# Altium PCB ebox-SPARK-拼板.PcbDoc (part 1 of 3)
Units mm, origin at the board's own origin, x right, y up, seen from the top; angles counter-clockwise.
Board outline 102 x 90 mm, 2 copper layers (Top Layer, Bottom Layer); 141 components, 68 nets, 621 pads, 146 vias.
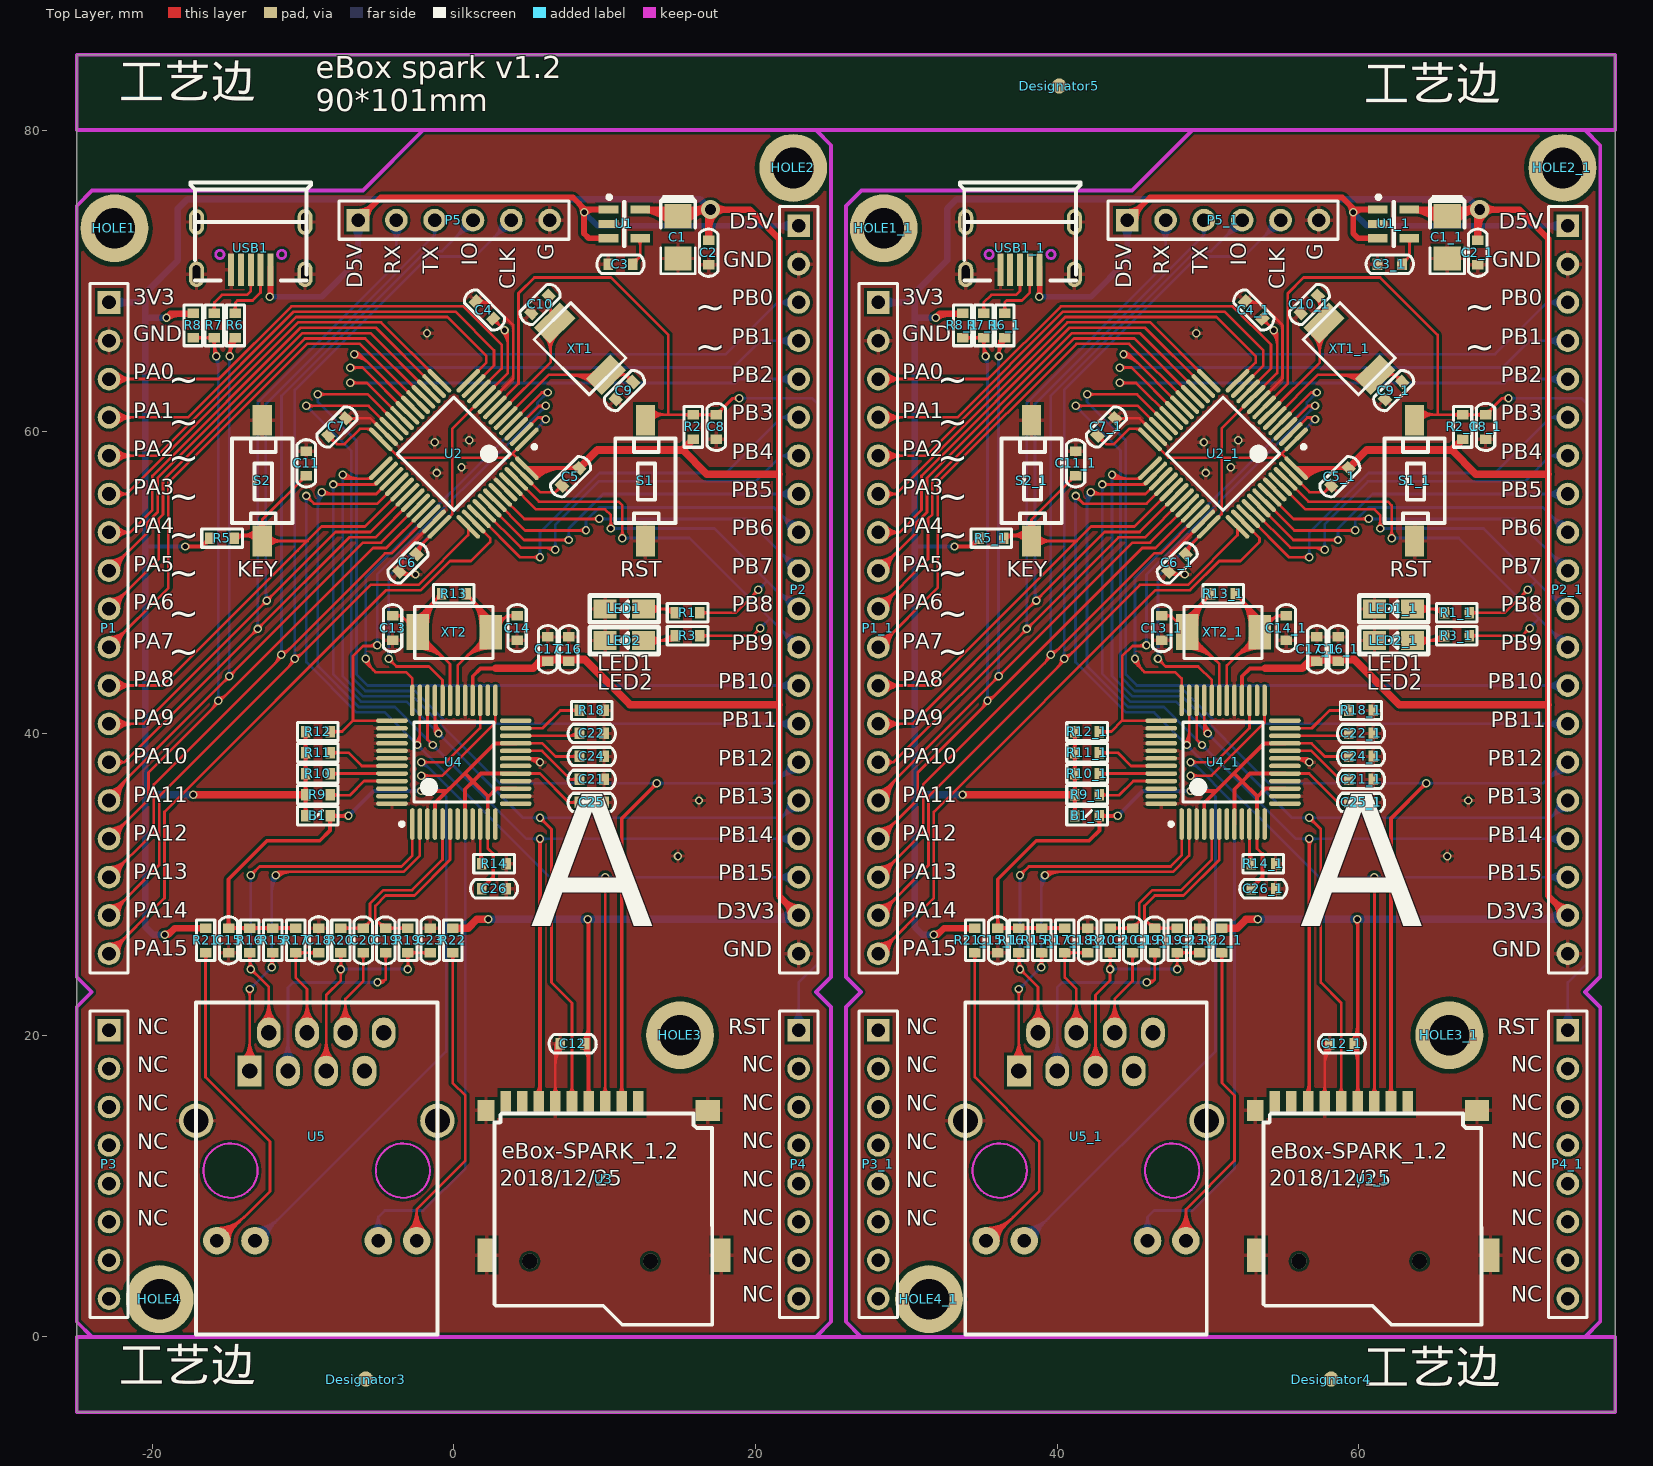
[diagram p0: Top Layer view]
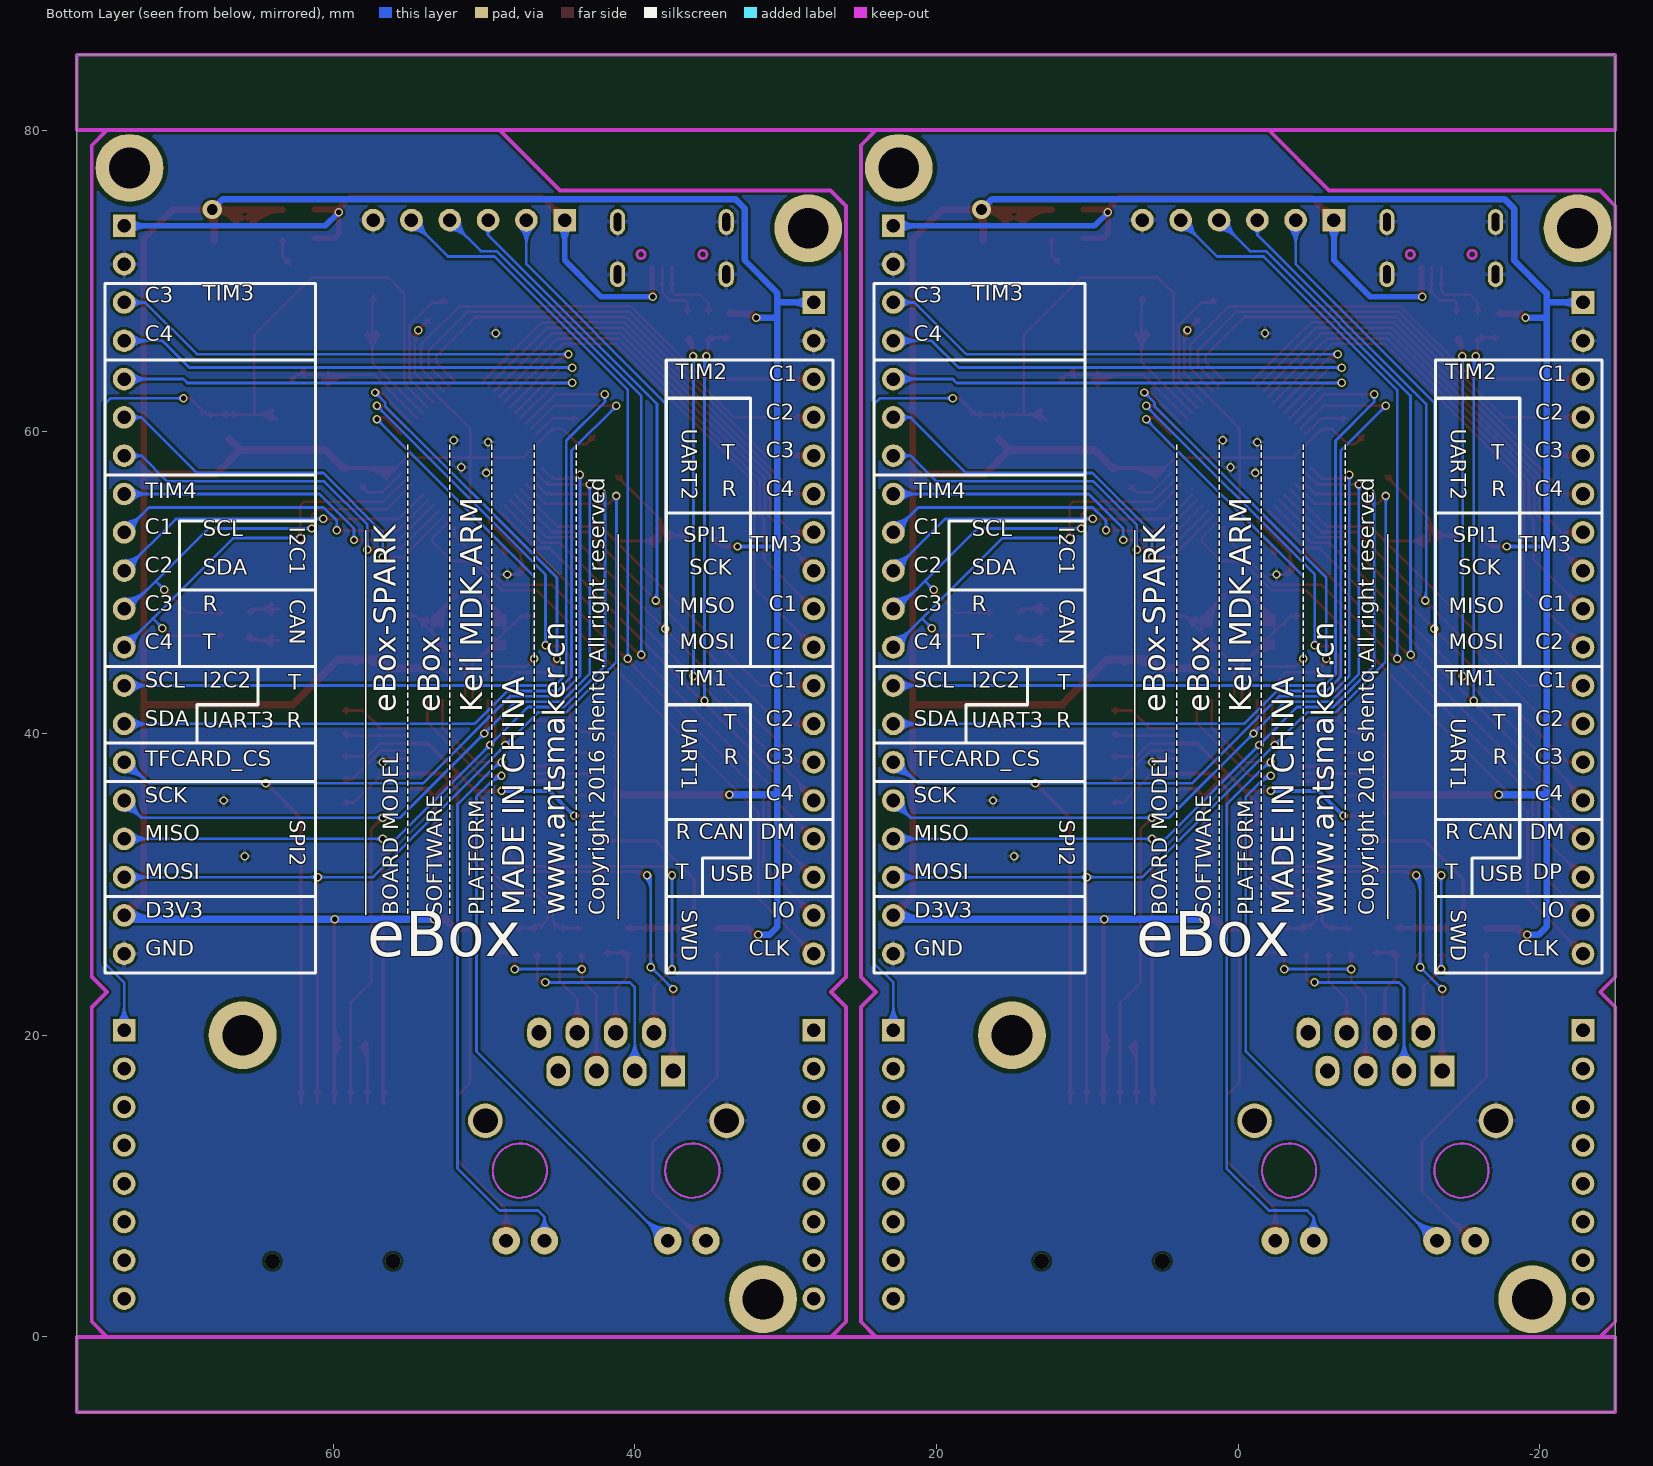
[diagram p1: Bottom Layer view, seen from below]

## Layer stack, top to bottom
Top Layer: signal copper 0.0356
Dielectric: dielectric 0.32, FR-4, Dk 4.8
Bottom Layer: signal copper 0.0356

## Board outline
-25,85.003 77,85.003 77,-5 -25,-5

## Design rules (kind name [scope] priority, off if disabled: settings)
Clearance [All] p1: gap=0.178
ComponentClearance [All] p1: gap=0 collisioncheckmode=3 verticalgap=0 showdistances=FALSE
HoleSize [All] p1: absolutevalues=TRUE maxlimit=25.4 minlimit=0.025 maxpercent=80.000 minpercent=20.000
HoleToHoleClearance [All] p1: gap=0.178 allowstackedmicrovias=TRUE
MinimumSolderMaskSliver [All] p1: minsoldermaskwidth=0
PolygonConnect [All] p1: connectstyle=Relief reliefconductorwidth=0.254 reliefentries=4 polygonreliefangle="90 Angle"
RoomDefinition main_1.12 [InComponentClass('main_1.12')] p1: confinementstyle=ConfineIn formatcopy=TRUE lockcomponents=FALSE outline -109.836,-22.479 -59.036,-22.479 -59.036,2.921 -109.836,2.921
RoomDefinition U_W5500 [InComponentClass('U_W5500')] p2: confinementstyle=ConfineIn formatcopy=TRUE lockcomponents=FALSE outline -109.836,-22.479 -59.036,-22.479 -59.036,2.921 -109.836,2.921
RoomDefinition U_SDCARD [InComponentClass('U_SDCARD')] p3: confinementstyle=ConfineIn formatcopy=TRUE lockcomponents=FALSE outline -109.836,-22.479 -59.036,-22.479 -59.036,2.921 -109.836,2.921
RoomDefinition U_MCU [InComponentClass('U_MCU')] p4: confinementstyle=ConfineIn formatcopy=TRUE lockcomponents=FALSE outline -109.836,-22.479 -59.036,-22.479 -59.036,2.921 -109.836,2.921
RoutingVias [All] p1: holewidth=0.356 width=0.559 viastyle="Through Hole" minholewidth=0.356 minwidth=0.559 maxholewidth=7.112 maxwidth=12.7
SilkToSilkClearance [All] p1: silktosilkclearance=0
SilkscreenOverComponentPads [All] p1: minsilkscreentomaskgap=0
SolderMaskExpansion [All] p1: expansion=0.102
TestPointUsage [All] p1: valid=0 allowmultiple=FALSE
Testpoint [All] p1: side=15 testpointundercomponent=TRUE minsize=1.016 maxsize=2.54 preferedsize=1.524 minholesize=0 maxholesize=1.016 preferedholesize=0.813 testpointgrid=0.025 style=1023 order=0123456789
Width [All] p1: maxlimit=2.54 minlimit=0.178 preferedwidth=0.178
18 further rules are at their usual default settings.

## Classes and differential pairs
component class U_MCU: C1 C2 C3 C4 C5 C6 C7 C8 C9 C10 C11 LED1 LED2 P1 P2 P3 P4 P5 R1 R2 R3 R5 R6 R7 R8 S1 S2 T1 U1 U2 USB1 XT1
component class U_SDCARD: C12 U3
component class U_W5500: B1 C13 C14 C15 C16 C17 C18 C19 C20 C21 C22 C23 C24 C25 C26 R6 R7 R8 R9 R13 R14 R15 R16 R17 R18 R19 R20 R21 R22 R24 R25 R26 U4 U5 XT2
component class main_1.12: P6 P7 P8 P9

## Components (designator, comment, footprint, x,y, rotation, side; value= is the part's Value field where it differs from the comment)
B1 "BEAD" 0603L -9.017,34.544 r0 top
B1_1 "BEAD" 0603L 41.983,34.544 r0 top (schematic designator B1)
C1 "10UF" 3216C 14.859,74.295 r90 top
C1_1 "10UF" 3216C 65.859,74.295 r90 top (schematic designator C1)
C2 "104" 0603C 16.891,71.882 r90 top
C2_1 "104" 0603C 67.891,71.882 r90 top (schematic designator C2)
C3 "104" 0603C 11.049,71.12 r180 top
C3_1 "104" 0603C 62.049,71.12 r180 top (schematic designator C3)
C4 "104" 0603C 2.032,68.072 r315 top
C4_1 "104" 0603C 53.032,68.072 r315 top (schematic designator C4)
C5 "104" 0603C 7.747,57.023 r45 top
C5_1 "104" 0603C 58.747,57.023 r45 top (schematic designator C5)
C6 "104" 0603C -3.048,51.308 r225 top
C6_1 "104" 0603C 47.952,51.308 r225 top (schematic designator C6)
C7 "104" 0603C -7.747,60.325 r225 top
C7_1 "104" 0603C 43.253,60.325 r225 top (schematic designator C7)
C8 "104" 0603C 17.399,60.325 r270 top
C8_1 "104" 0603C 68.399,60.325 r270 top (schematic designator C8)
C9 "22P" 0603C 11.303,62.738 r225 top
C9_1 "22P" 0603C 62.303,62.738 r225 top (schematic designator C9)
C10 "22P" 0603C 5.715,68.453 r225 top
C10_1 "22P" 0603C 56.715,68.453 r225 top (schematic designator C10)
C11 "104" 0603C -9.779,57.912 r270 top
C11_1 "104" 0603C 41.221,57.912 r270 top (schematic designator C11)
C12 "104" 0603C 7.874,19.431 r180 top
C12_1 "104" 0603C 58.874,19.431 r180 top (schematic designator C12)
C13 "22P" 0603C -4.064,46.99 r90 top
C13_1 "22P" 0603C 46.936,46.99 r90 top (schematic designator C13)
C14 "22P" 0603C 4.191,46.99 r270 top
C14_1 "22P" 0603C 55.191,46.99 r270 top (schematic designator C14)
C15 "104" 0603C -14.935,26.289 r270 top
C15_1 "104" 0603C 36.065,26.289 r270 top (schematic designator C15)
C16 "104" 0603C 7.62,45.593 r90 top
C16_1 "104" 0603C 58.62,45.593 r90 top (schematic designator C16)
C17 "105" 0603C 6.223,45.593 r90 top
C17_1 "105" 0603C 57.223,45.593 r90 top (schematic designator C17)
C18 "104" 0603C -8.966,26.289 r270 top
C18_1 "104" 0603C 42.034,26.289 r270 top (schematic designator C18)
C19 "104" 0603C -4.521,26.289 r90 top
C19_1 "104" 0603C 46.479,26.289 r90 top (schematic designator C19)
C20 "104" 0603C -6.003,26.289 r90 top
C20_1 "104" 0603C 44.997,26.289 r90 top (schematic designator C20)
C21 "105" 0603C 9.144,36.957 r180 top
C21_1 "105" 0603C 60.144,36.957 r180 top (schematic designator C21)
C22 "104" 0603C 9.144,40.005 r180 top
C22_1 "104" 0603C 60.144,40.005 r180 top (schematic designator C22)
C23 "104" 0603C -1.558,26.289 r90 top
C23_1 "104" 0603C 49.442,26.289 r90 top (schematic designator C23)
C24 "104" 0603C 9.144,38.481 r180 top
C24_1 "104" 0603C 60.144,38.481 r180 top (schematic designator C24)
C25 "104" 0603C 9.144,35.433 r180 top
C25_1 "104" 0603C 60.144,35.433 r180 top (schematic designator C25)
C26 "104" 0603C 2.667,29.718 r180 top
C26_1 "104" 0603C 53.667,29.718 r180 top (schematic designator C26)
Designator3 "Comment" MARKER-C -5.842,-2.794 r0 top
Designator4 "Comment" MARKER-C 58.166,-2.794 r0 top
Designator5 "Comment" MARKER-C 40.132,82.931 r0 top
HOLE1 "HOLE" M2.5#1 -22.098,79.375 r90 top
HOLE1_1 "HOLE" M2.5#1 28.902,79.375 r90 top (schematic designator HOLE1)
HOLE2 "HOLE" M2.5#2 45.993,0.762 r90 top
HOLE2_1 "HOLE" M2.5#2 96.993,0.762 r90 top (schematic designator HOLE2)
HOLE3 "HOLE" M2.5#3 37.103,0.762 r90 top
HOLE3_1 "HOLE" M2.5#3 88.103,0.762 r90 top (schematic designator HOLE3)
HOLE4 "HOLE" M2.5#4 28.213,0.762 r90 top
HOLE4_1 "HOLE" M2.5#4 79.213,0.762 r90 top (schematic designator HOLE4)
LED1 "LED" 0805D 11.303,48.26 r180 top
LED1_1 "LED" 0805D 62.303,48.26 r180 top (schematic designator LED1)
LED2 "LED" 0805D 11.303,46.164 r180 top
LED2_1 "LED" 0805D 62.303,46.164 r180 top (schematic designator LED2)
P1 "Header 18" HDR1X18 -22.86,68.58 r270 top
P1_1 "Header 18" HDR1X18 28.14,68.58 r270 top (schematic designator P1)
P2 "Header 20" HDR1X20 22.86,73.66 r270 top
P2_1 "Header 20" HDR1X20 73.86,73.66 r270 top (schematic designator P2)
P3 "Header 8" HDR1X8 -22.86,20.32 r270 top
P3_1 "Header 8" HDR1X8 28.14,20.32 r270 top (schematic designator P3)
P4 "Header 8" HDR1X8 22.86,20.32 r270 top
P4_1 "Header 8" HDR1X8 73.86,20.32 r270 top (schematic designator P4)
P5 "SWD" HDR1X6 -6.35,74.041 r0 top
P5_1 "SWD" HDR1X6 44.65,74.041 r0 top (schematic designator P5)
R1 "1.5K" 0603R 15.494,48.006 r180 top
R1_1 "1.5K" 0603R 66.494,48.006 r180 top (schematic designator R1)
R2 "10K" 0603R 15.875,60.325 r90 top
R2_1 "10K" 0603R 66.875,60.325 r90 top (schematic designator R2)
R3 "1.5K" 0603R 15.494,46.482 r180 top
R3_1 "1.5K" 0603R 66.494,46.482 r180 top (schematic designator R3)
R5 "10K" 0603R -15.367,52.959 r0 top
R5_1 "10K" 0603R 35.633,52.959 r0 top (schematic designator R5)
R6 "22R" 0603R -14.478,67.056 r90 top
R6_1 "22R" 0603R 36.522,67.056 r90 top (schematic designator R6)
R7 "22R" 0603R -15.875,67.056 r90 top
R7_1 "22R" 0603R 35.125,67.056 r90 top (schematic designator R7)
R8 "1.5K" 0603R -17.272,67.056 r90 top
R8_1 "1.5K" 0603R 33.728,67.056 r90 top (schematic designator R8)
R9 "10K" 0603R -9.017,35.941 r180 top
R9_1 "10K" 0603R 41.983,35.941 r180 top (schematic designator R9)
R10 "10K" 0603R -9.017,37.338 r180 top
R10_1 "10K" 0603R 41.983,37.338 r180 top (schematic designator R10)
R11 "10K" 0603R -9.017,38.735 r180 top
R11_1 "10K" 0603R 41.983,38.735 r180 top (schematic designator R11)
R12 "10K" 0603R -9.017,40.132 r180 top
R12_1 "10K" 0603R 41.983,40.132 r180 top (schematic designator R12)
R13 "1M" 0603R 0,49.276 r180 top
R13_1 "1M" 0603R 51,49.276 r180 top (schematic designator R13)
R14 "12.4K%1" 0603R 2.667,31.369 r0 top
R14_1 "12.4K%1" 0603R 53.667,31.369 r0 top (schematic designator R14)
R15 "50R" 0603R -12.014,26.289 r90 top
R15_1 "50R" 0603R 38.986,26.289 r90 top (schematic designator R15)
R16 "50R" 0603R -13.538,26.289 r90 top
R16_1 "50R" 0603R 37.462,26.289 r90 top (schematic designator R16)
R17 "50R" 0603R -10.49,26.289 r90 top
R17_1 "50R" 0603R 40.51,26.289 r90 top (schematic designator R17)
R18 "10K" 0603R 9.144,41.529 r180 top
R18_1 "10K" 0603R 60.144,41.529 r180 top (schematic designator R18)
R19 "50R" 0603R -3.04,26.289 r270 top
R19_1 "50R" 0603R 47.96,26.289 r270 top (schematic designator R19)
R20 "50R" 0603R -7.485,26.289 r270 top
R20_1 "50R" 0603R 43.515,26.289 r270 top (schematic designator R20)
R21 "1.5K" 0603R -16.459,26.289 r270 top
R21_1 "1.5K" 0603R 34.541,26.289 r270 top (schematic designator R21)
R22 "1.5K" 0603R -0.076,26.289 r270 top
R22_1 "1.5K" 0603R 50.924,26.289 r270 top (schematic designator R22)
S1 "SW-BUTTON" SW-KEY 12.7,56.769 r90 top
S1_1 "SW-BUTTON" SW-KEY 63.7,56.769 r90 top (schematic designator S1)
S2 "SW-BUTTON" SW-KEY -12.7,56.769 r90 top locked
S2_1 "SW-BUTTON" SW-KEY 38.3,56.769 r90 top locked (schematic designator S2)
U1 "MIC5219" SOT23-5 11.303,73.787 r0 top
U1_1 "MIC5219" SOT23-5 62.303,73.787 r0 top (schematic designator U1)
U2 "STM32F103" LQFP48 0,58.547 r225 top
U2_1 "STM32F103" LQFP48 51,58.547 r225 top (schematic designator U2)
U3 "TFCard" TF-2 9.5,9.779 r270 top
U3_1 "TFCard" TF-2 60.5,9.779 r270 top (schematic designator U3)
U4 "W5500" LQFP48 0,38.1 r90 top locked
U4_1 "W5500" LQFP48 51,38.1 r90 top locked (schematic designator U4)
U5 "HR911105" HR911105A -9.5,6.731 r270 top locked
U5_1 "HR911105" HR911105A 41.5,6.731 r270 top locked (schematic designator U5)
USB1 "USB-Micro" USB-Micro-2 -13.462,73.914 r270 top
USB1_1 "USB-Micro" USB-Micro-2 37.538,73.914 r270 top (schematic designator USB1)
XT1 "8M" 5032 8.382,65.532 r135 top
XT1_1 "8M" 5032 59.382,65.532 r135 top (schematic designator XT1)
XT2 "25M" 5032 0,46.736 r180 top
XT2_1 "25M" 5032 51,46.736 r180 top (schematic designator XT2)

## Footprints (in the part's own frame and the unit in brackets; to place one, negate y for a bottom-side part, rotate by r counter-clockwise, add the part's x,y. Pads: shape width x height; smd on the part's side, far side on the other; paste and mask are expansions set on the pad)
0603C [mil]
  rect 25x30 smd: 1(-32,0) 2(32,0)
  silkscreen extent -62,-24 62,24, body extent -30,-16 33,16, height 12
0603L [mil]
  rect 25x30 smd: 1(-32,0) 2(32,0)
  silkscreen extent -53,-24 53,24, body extent -31,-16 32,16, height 24
0603R [mil]
  rect 25x30 smd: 1(-32,0) 2(32,0)
  silkscreen extent -53,-24 53,24, body extent -32,-15 30,16, height 12
0805D [mm]
  rect 1.524x1.25 smd: A(-1.27,0) K(1.27,0)
  silkscreen extent -2.29,-0.89 2.29,0.89, body extent -1.06,-0.64 0.96,0.62, height 1.1
3216C [mm] "A型"
  rect 1.6x1.8 smd: 1(0,0) 2(-2.8,0)
  silkscreen extent -3.81,-1.14 1.4,1.14, body extent -3.02,-0.8 0.18,0.8, height 1.6
5032 [mm]
  rect 1.5x2.3 smd: 1(-2.438,0.025)
  rect 1.5x2.4 smd: 2(2.388,0)
  silkscreen extent -2.59,-1.7 2.59,1.75
HDR1X6 [mm]
  rect 1.5x1.5 hole 0.9: 1(0,0)
  round 1.5 hole 0.9: 2(2.54,0) 3(5.08,0) 4(7.62,0) 5(10.16,0) 6(12.7,0)
  silkscreen extent -1.27,-1.27 13.97,1.27, body extent -1.27,-1.24 13.97,1.25, height 8.54
HDR1X8 [mm]
  rect 1.5x1.5 hole 0.9: 1(0,0)
  round 1.5 hole 0.9: 2(2.54,0) 3(5.08,0) 4(7.62,0) 5(10.16,0) 6(12.7,0) 7(15.24,0) 8(17.78,0)
  silkscreen extent -1.27,-1.27 19.05,1.27, body extent -1.24,-1.24 19.08,1.25, height 8.54
HDR1X18 [mm]
  rect 1.5x1.5 hole 0.9: 1(0,0)
  round 1.5 hole 0.9: 2(2.54,0) 3(5.08,0) 4(7.62,0) 5(10.16,0) 6(12.7,0) 7(15.24,0) 8(17.78,0) 9(20.32,0) 10(22.86,0) 11(25.4,0) 12(27.94,0) 13(30.48,0) 14(33.02,0) 15(35.56,0) 16(38.1,0) 17(40.64,0) 18(43.18,0)
  silkscreen extent -1.27,-1.27 44.45,1.27, body extent -1.24,-1.24 44.48,1.25, height 8.54
HDR1X20 [mm]
  rect 1.5x1.5 hole 0.9: 1(0,0)
  round 1.5 hole 0.9: 2(2.54,0) 3(5.08,0) 4(7.62,0) 5(10.16,0) 6(12.7,0) 7(15.24,0) 8(17.78,0) 9(20.32,0) 10(22.86,0) 11(25.4,0) 12(27.94,0) 13(30.48,0) 14(33.02,0) 15(35.56,0) 16(38.1,0) 17(40.64,0) 18(43.18,0) 19(45.72,0) 20(48.26,0)
  silkscreen extent -1.27,-1.27 49.53,1.27, body extent -1.24,-1.24 49.56,1.25, height 8.54
HR911105A [mil] "HR911105A"
  rect 80x62 hole 40: 1(-429,-159)
  oval 80x62 hole 40: 2(-529,-109) 3(-429,-59) 4(-529,-9) 5(-429,41) 6(-529,91) 7(-429,141) 8(-529,191)
  round 72 hole 36: 9(13.91,-244.63) 10(13.91,-145) 11(13.91,176.87) 12(13.91,277)
  round 90 hole 65: 13(-299.08,-298.76) 14(-299.08,331.16)
  Keep-Out Layer circle w5: c-169,241 r70.8
  Keep-Out Layer circle w5: c-169,-209 r70.8
  Multi-Layer circle w5: c-169,-209 r70.8
  Multi-Layer circle w5: c-169,241 r70.8
  silkscreen extent -608,-299 258,331
LQFP48 [mm]
  oval 2.1x0.3 smd: 1(-4.1,2.75) 2(-4.1,2.25) 3(-4.1,1.75) 4(-4.1,1.25) 5(-4.1,0.75) 6(-4.1,0.25) 7(-4.1,-0.25) 8(-4.1,-0.75) 9(-4.1,-1.25) 10(-4.1,-1.75) 11(-4.1,-2.25) 12(-4.1,-2.75) 25(4.1,-2.75) 26(4.1,-2.25) 27(4.1,-1.75) 28(4.1,-1.25) 29(4.1,-0.75) 30(4.1,-0.25) 31(4.1,0.25) 32(4.1,0.75) 33(4.1,1.25) 34(4.1,1.75) 35(4.1,2.25) 36(4.1,2.75)
  oval 0.3x2.1 smd: 13(-2.75,-4.1) 14(-2.25,-4.1) 15(-1.75,-4.1) 16(-1.25,-4.1) 17(-0.75,-4.1) 18(-0.25,-4.1) 19(0.25,-4.1) 20(0.75,-4.1) 21(1.25,-4.1) 22(1.75,-4.1) 23(2.25,-4.1) 24(2.75,-4.1) 37(2.75,4.1) 38(2.25,4.1) 39(1.75,4.1) 40(1.25,4.1) 41(0.75,4.1) 42(0.25,4.1) 43(-0.25,4.1) 44(-0.75,4.1) 45(-1.25,4.1) 46(-1.75,4.1) 47(-2.25,4.1) 48(-2.75,4.1)
  silkscreen extent -4.22,-2.65 2.65,3.57, body extent -4.5,-4.5 4.5,4.5, height 1.4
M2.5#1 [mm]
  round 4.5 hole 2.7: 0(-5.875,0.402)
M2.5#2 [mm]
  round 4.5 hole 2.7: 0(76.738,23.493)
M2.5#3 [mm]
  round 4.5 hole 2.7: 0(19.238,22.103)
M2.5#4 [mm]
  round 4.5 hole 2.7: 0(1.738,47.713)
MARKER-C [mm]
  round 1 smd paste-1.016 mask+0.5: 0(0,0)
  Top Layer pour cut-out: -1.109,0 -1.072,-0.287 -0.961,-0.555 -0.785,-0.785 -0.555,-0.961 -0.287,-1.072 0,-1.109 0,-1.109 0.287,-1.072 0.555,-0.961 0.785,-0.785 0.961,-0.555 1.072,-0.287 1.109,0 1.109,0 1.072,0.287 0.961,0.555 0.785,0.785 0.555,0.961 0.287,1.072 0,1.109 0,1.109 -0.287,1.072 -0.555,0.961 -0.785,0.785 -0.961,0.555 -1.072,0.287 -1.109,0
SOT23-5 [mm] "SOT23, 5-Leads, Body 3.0x2.6mm (max), Pitch 0.95mm, IPC Medium Density"
  rect 1.3x0.55 smd: 1(-1.051,0.95) 2(-1.051,0) 3(-1.051,-0.95) 4(1.051,-0.95) 5(1.051,0.95)
  silkscreen extent -1.12,-1.5 0.05,1.9, body extent -1.48,-1.45 1.32,1.45, height 1.45
SW-KEY [mm]
  rect 2.032x1.27 smd: 1(-4,0) 2(4,0)
  silkscreen extent -2.8,-2 2.8,2
TF-2 [mm]
  rect 1.4x1.6 smd: 0(-5.236,7.333)
  rect 1.4x1.1 smd: 0(-5.236,-7.367)
  rect 2.2x1.2 smd: 0(4.364,8.233) 0(4.364,-7.317)
  rect 1.6x0.7 smd: 1(-5.736,2.733) 2(-5.736,1.633) 3(-5.736,0.533) 4(-5.736,-0.567) 5(-5.736,-1.667) 6(-5.736,-2.767) 7(-5.736,-3.867) 8(-5.736,-4.967) 9(-5.736,-6.067)
  silkscreen extent -5.03,-6.81 8.98,7.63, body extent -6.41,-7.59 8.84,8.41, height 1.95
USB-Micro-2 [mm]
  oval 1.7x1 hole 0.5 slot 1.2 at 0 deg: 0(0,3.6) 0(0,-3.6) 0(3.47,3.6) 0(3.47,-3.6)
  rect 2.15x0.4 smd: 1(3.16,1.3) 2(3.16,0.65) 3(3.16,0) 4(3.16,-0.65) 5(3.16,-1.3)
  Keep-Out Layer circle w0.178: c2.15,-2.05 r0.275
  Keep-Out Layer circle w0.178: c2.15,2.05 r0.275
  silkscreen extent -2.62,-4 3.87,4, body extent -1.94,-4.4 3.66,4.4, height 2.74

## Part data
B1 B1_1: "磁珠"
C1 C1_1: library part CAP-T, "钽电容"
C2 C2_1 C3 C3_1 C4 C4_1 C5 C5_1 C6 C6_1 C7 C7_1 C8 C8_1 C9 C9_1 C10 C10_1 C11 C11_1 C12 C12_1 C13 C13_1 C14 C14_1 C15 C15_1 C16 C16_1 C17 C17_1 C18 C18_1 C19 C19_1 C20 C20_1 C21 C21_1 C22 C22_1 C23 C23_1 C24 C24_1 C25 C25_1 C26 C26_1: library part CAP, "普通小电容"
HOLE1 HOLE1_1 HOLE2 HOLE2_1 HOLE3 HOLE3_1 HOLE4 HOLE4_1: "standard screw"
P1 P1_1: "Header, 18-Pin"
P2 P2_1: "Header, 20-Pin"
P3 P3_1 P4 P4_1: "Header, 8-Pin"
P5 P5_1: "单片机端"
R1 R1_1 R2 R2_1 R3 R3_1 R5 R5_1 R6 R6_1 R7 R7_1 R8 R8_1 R9 R9_1 R10 R10_1 R11 R11_1 R12 R12_1 R13 R13_1 R14 R14_1 R15 R15_1 R16 R16_1 R17 R17_1 R18 R18_1 R19 R19_1 R20 R20_1 R21 R21_1 R22 R22_1: library part RES, "普通电阻"
U3 U3_1: library part TFCARD
USB1 USB1_1: "USB 1.1, Right Angle, SMT, A Type, Plug, 4 Position, Natural"
XT1 XT1_1 XT2 XT2_1: library part XT, "晶振"

## Via types
v1: diameter 0.559, hole 0.356, Top Layer to Bottom Layer, tented both sides, 140 vias
v2: diameter 1, hole 1, Top Layer to Bottom Layer, tented both sides, 4 vias
v3: diameter 1.27, hole 0.711, Top Layer to Bottom Layer, tented both sides, 2 vias

## Nets (pads, with @x,y where several pads share a name; then routed paths per layer and width w, separated by ;. In a path a pad name is that pad's centre, name@x,y a point inside that pad or via, vN(x,y) a via of type N, cw(c..) or ccw(c..) an arc to the next point about the centre after c; other vN are vias at no path point)
A3V3: B1.2 B1_1.2 C15.1 C15_1.1 C24.2 C24_1.2 C25.2 C25_1.2 C26.2 C26_1.2 R15.2 R15_1.2 R16.2 R16_1.2 R17.2 R17_1.2 U4.4 U4.8 U4.11 U4.15 U4.17 U4.21 U4_1.4 U4_1.8 U4_1.11 U4_1.15 U4_1.17 U4_1.21 | length 142.4
  Top Layer w0.178: U4.11@2.25,34 2.25,32.37 2.616,32.004 ; U4.17@4.1,37.35 5.703,37.35 7.62,35.433 C25.2@8.331,35.433 ; U4.21@4.1,39.35 5.872,39.35 6.741,38.481 C24.2@8.331,38.481 ; C25.2@8.17,35.271 ccw(c7.779,34.881) 7.779,35.433 ccw(c7.779,35.985) C25.2@8.17,35.595 ; C24.2@8.17,38.319 ccw(c7.779,37.929) 7.779,38.481 ccw(c7.779,39.033) C24.2@8.17,38.643 ; U4_1.11@53.25,34 53.25,32.37 53.616,32.004 ; U4_1.17@55.1,37.35 56.703,37.35 58.62,35.433 C25_1.2@59.331,35.433 ; U4_1.21@55.1,39.35 56.872,39.35 57.741,38.481 C24_1.2@59.331,38.481 ; C25_1.2@59.17,35.271 ccw(c58.779,34.881) 58.779,35.433 ccw(c58.779,35.985) C25_1.2@59.17,35.595 ; C24_1.2@59.17,38.319 ccw(c58.779,37.929) 58.779,38.481 ccw(c58.779,39.033) C24_1.2@59.17,38.643
  Top Layer w0.254: C15.1@-15.07,27.237 ccw(c-15.395,27.562) -14.935,27.562 ccw(c-14.475,27.562) C15.1@-14.8,27.237 ; C15.1@-14.737,26.967 cw(c-14.412,26.642) -14.412,27.102 cw(c-14.412,27.562) C15.1@-14.737,27.237 ; R16.2@-13.736,26.967 ccw(c-14.062,26.642) -14.062,27.102 ccw(c-14.062,27.562) R16.2@-13.736,27.237 ; R16.2@-13.34,26.967 cw(c-13.015,26.642) -13.015,27.102 cw(c-13.015,27.562) R16.2@-13.34,27.237 ; R15.2@-12.212,26.967 ccw(c-12.538,26.642) -12.538,27.102 ccw(c-12.538,27.562) R15.2@-12.212,27.237 ; R15.2@-11.816,26.967 cw(c-11.491,26.642) -11.491,27.102 cw(c-11.491,27.562) R15.2@-11.816,27.237 ; R17.2@-10.688,26.967 ccw(c-11.014,26.642) -11.014,27.102 ccw(c-11.014,27.562) R17.2@-10.688,27.237 ; R17.2@-10.49,27.102 R15.2@-12.014,27.102 R16.2@-13.538,27.102 C15.1@-14.935,27.102 -14.935,30.341 -12.383,32.893 -8.89,32.893 -8.204,33.579 B1.2@-8.204,34.544 v1(-6.985,34.544) ; B1.2@-8.339,34.346 cw(c-8.664,34.021) -8.204,34.021 cw(c-7.744,34.021) B1.2@-8.069,34.346 ; B1.2@-8.069,34.409 cw(c-7.744,34.084) -7.744,34.544 cw(c-7.744,35.004) B1.2@-8.069,34.679 ; v1@-7.093,34.436 ccw(c-7.353,34.176) -7.353,34.544 ccw(c-7.353,34.912) v1@-7.093,34.652 ; v1(-2.159,36.195) -0.508,36.195 ; v1@-2.051,36.087 cw(c-1.791,35.827) -1.791,36.195 cw(c-1.791,36.563) v1@-2.051,36.303 ; U4.4@-1.25,34 -1.25,35.389 0.73,37.37 ; U4.8@0.75,34 0.75,36.31 1.27,36.83 ; C26.2@1.854,29.718 2.616,30.48 2.616,32.004 ; C26.2@1.854,29.972 ccw(c1.854,30.585) 2.288,30.152 ; C26.2@2.045,29.781 cw(c2.351,29.781) C26.2@2.135,29.998 ; U4.11@2.25,34 2.25,35.778 2.822,36.35 U4.15@4.1,36.35 ; 2.25,35.85 1.27,36.83 ; U4.17@4.1,37.35 1.79,37.35 1.27,36.83 ; U4.21@4.1,39.35 2.711,39.35 0.73,37.37 ; C15_1.1@35.93,27.237 ccw(c35.605,27.562) 36.065,27.562 ccw(c36.525,27.562) C15_1.1@36.2,27.237 ; C15_1.1@36.263,26.967 cw(c36.588,26.642) 36.588,27.102 cw(c36.588,27.562) C15_1.1@36.263,27.237 ; R16_1.2@37.264,26.967 ccw(c36.938,26.642) 36.938,27.102 ccw(c36.938,27.562) R16_1.2@37.264,27.237 ; R16_1.2@37.66,26.967 cw(c37.985,26.642) 37.985,27.102 cw(c37.985,27.562) R16_1.2@37.66,27.237 ; R15_1.2@38.788,26.967 ccw(c38.462,26.642) 38.462,27.102 ccw(c38.462,27.562) R15_1.2@38.788,27.237 ; R15_1.2@39.184,26.967 cw(c39.509,26.642) 39.509,27.102 cw(c39.509,27.562) R15_1.2@39.184,27.237 ; R17_1.2@40.312,26.967 ccw(c39.986,26.642) 39.986,27.102 ccw(c39.986,27.562) R17_1.2@40.312,27.237 ; R17_1.2@40.51,27.102 R15_1.2@38.986,27.102 R16_1.2@37.462,27.102 C15_1.1@36.065,27.102 36.065,30.341 38.617,32.893 42.11,32.893 42.796,33.579 B1_1.2@42.796,34.544 v1(44.015,34.544) ; B1_1.2@42.661,34.346 cw(c42.336,34.021) 42.796,34.021 cw(c43.256,34.021) B1_1.2@42.931,34.346 ; B1_1.2@42.931,34.409 cw(c43.256,34.084) 43.256,34.544 cw(c43.256,35.004) B1_1.2@42.931,34.679 ; v1@43.907,34.436 ccw(c43.647,34.176) 43.647,34.544 ccw(c43.647,34.912) v1@43.907,34.652 ; v1(48.841,36.195) 50.492,36.195 ; v1@48.949,36.087 cw(c49.209,35.827) 49.209,36.195 cw(c49.209,36.563) v1@48.949,36.303 ; U4_1.4@49.75,34 49.75,35.389 51.73,37.37 ; U4_1.8@51.75,34 51.75,36.31 52.27,36.83 ; C26_1.2@52.854,29.718 53.616,30.48 53.616,32.004 ; C26_1.2@52.854,29.972 ccw(c52.854,30.585) 53.288,30.152 ; C26_1.2@53.045,29.781 cw(c53.351,29.781) C26_1.2@53.135,29.998 ; U4_1.11@53.25,34 53.25,35.778 53.822,36.35 U4_1.15@55.1,36.35 ; 53.25,35.85 52.27,36.83 ; U4_1.17@55.1,37.35 52.79,37.35 52.27,36.83 ; U4_1.21@55.1,39.35 53.711,39.35 51.73,37.37 ; 0.73,37.37 1.27,36.83 ; 51.73,37.37 52.27,36.83